# Allegro board SDHCalFEB20180110.brd
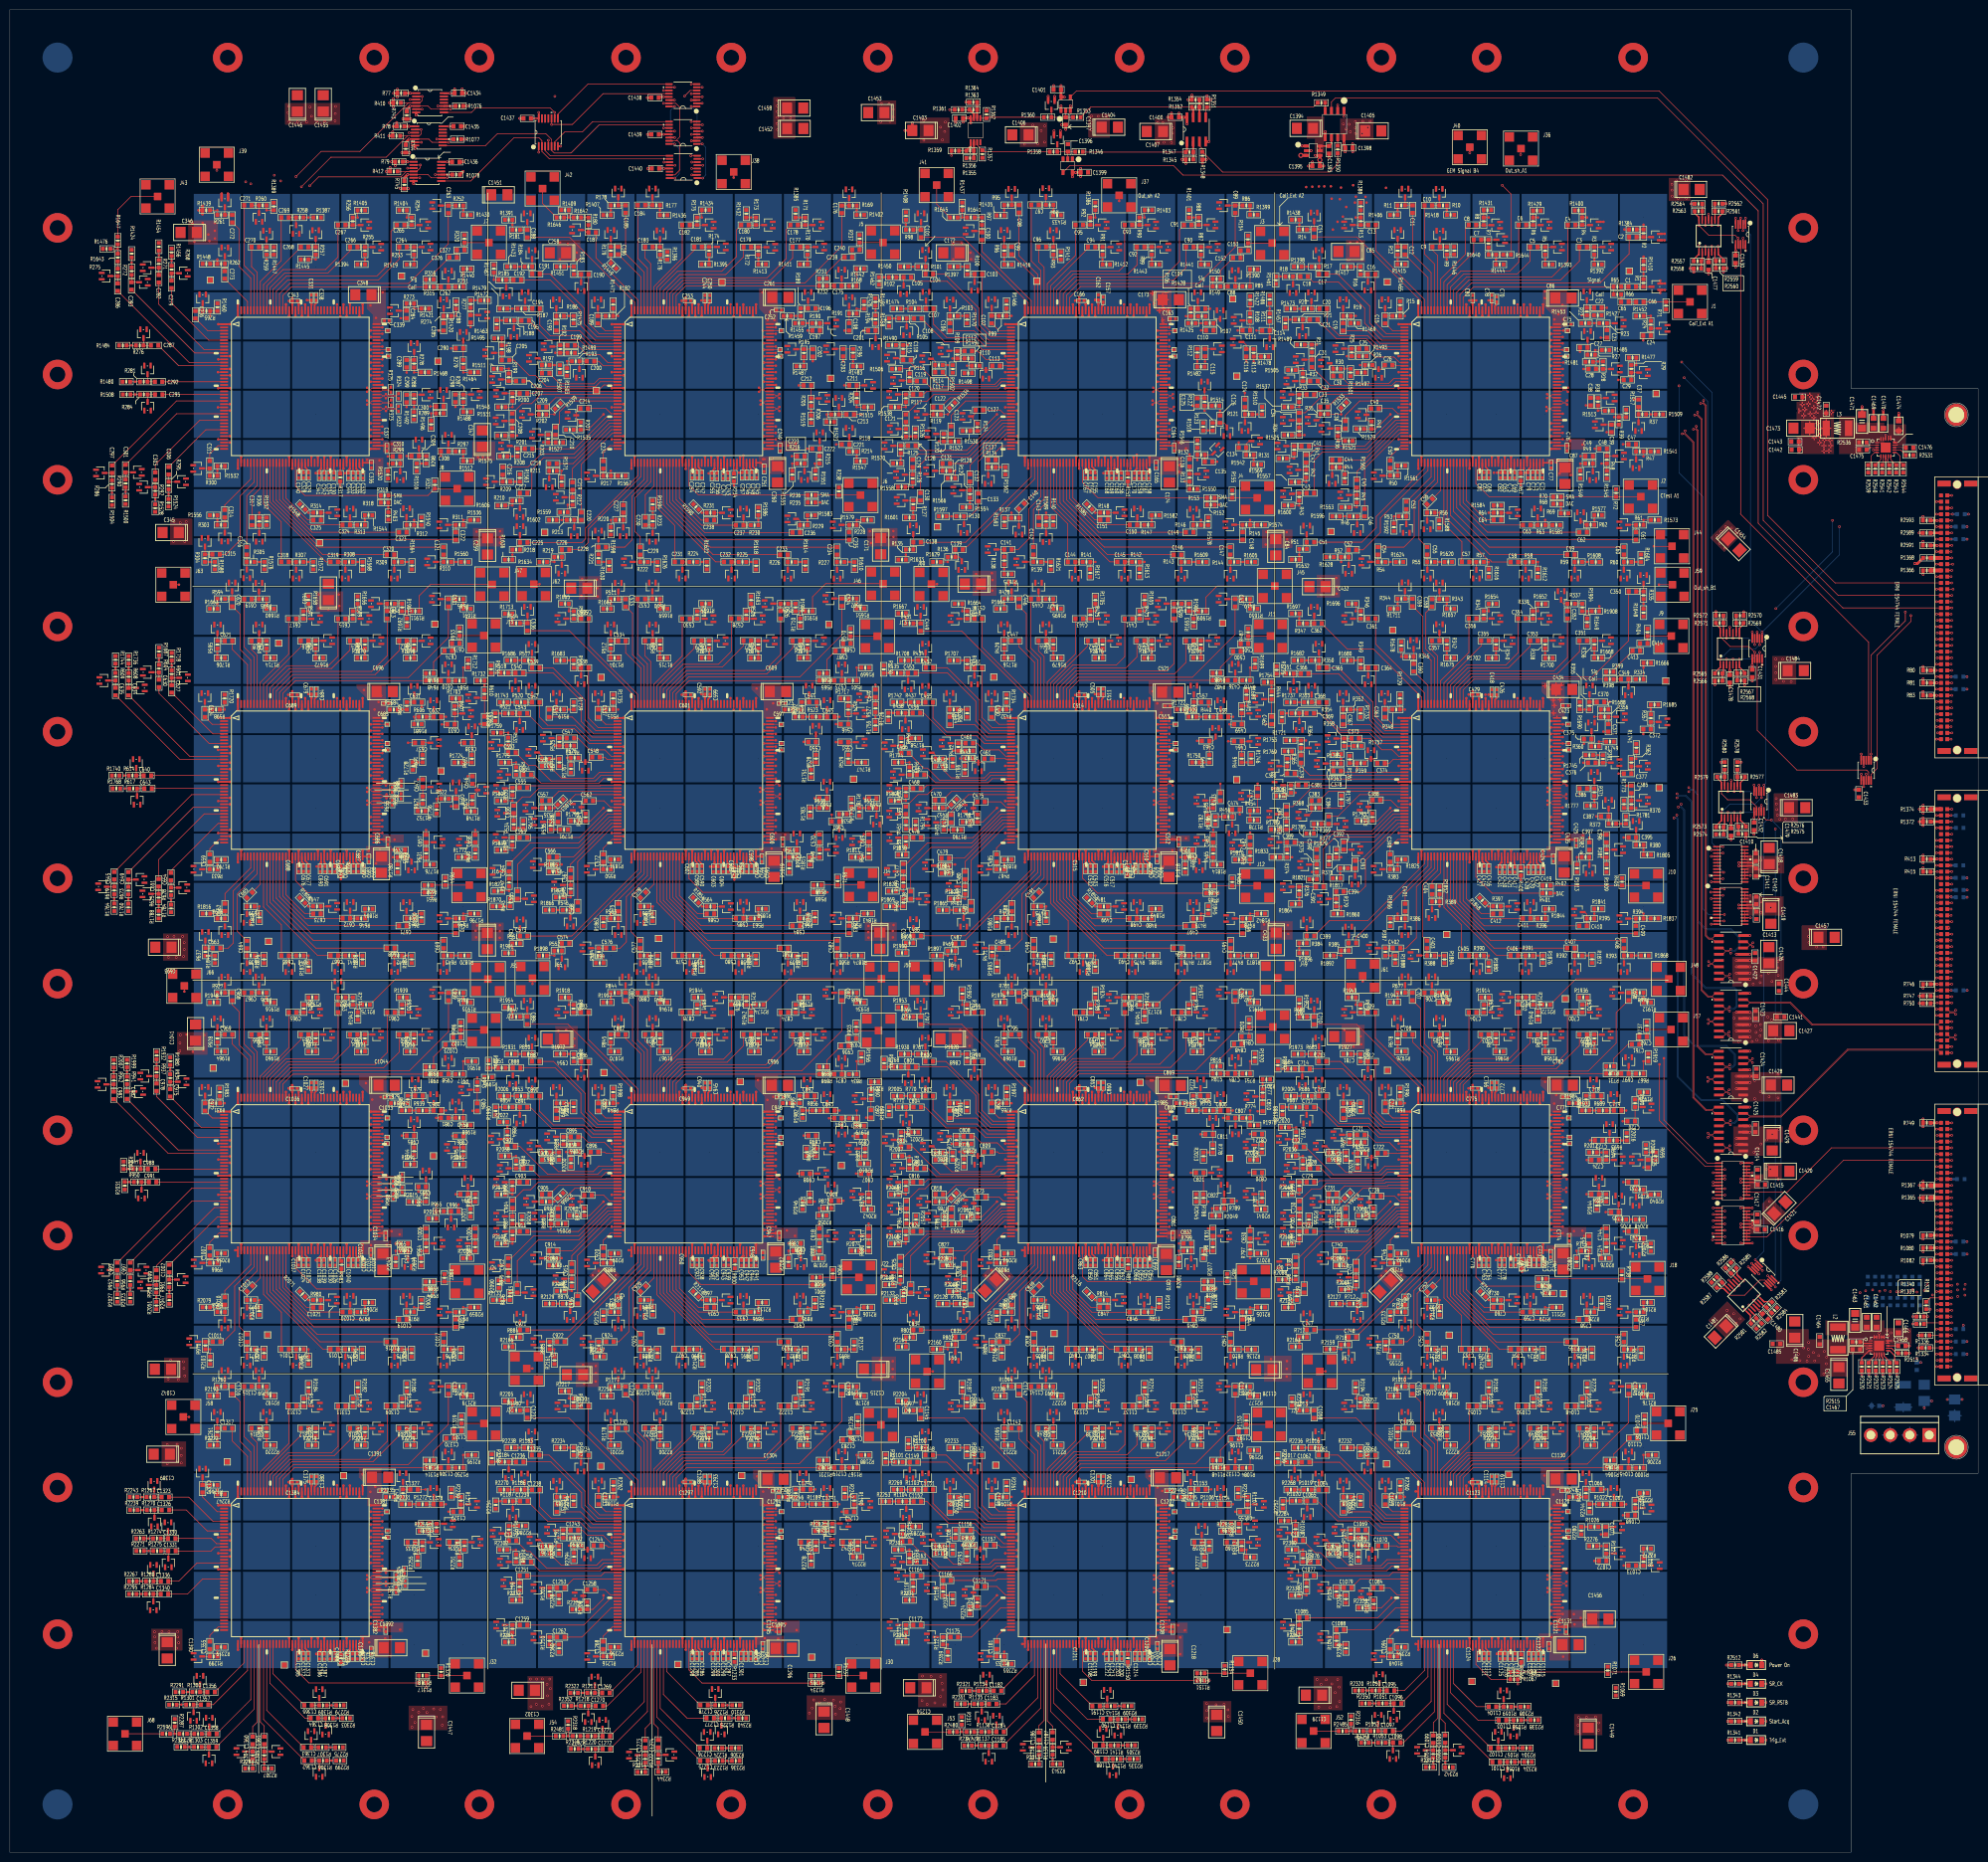
[diagram p0: board, top side]
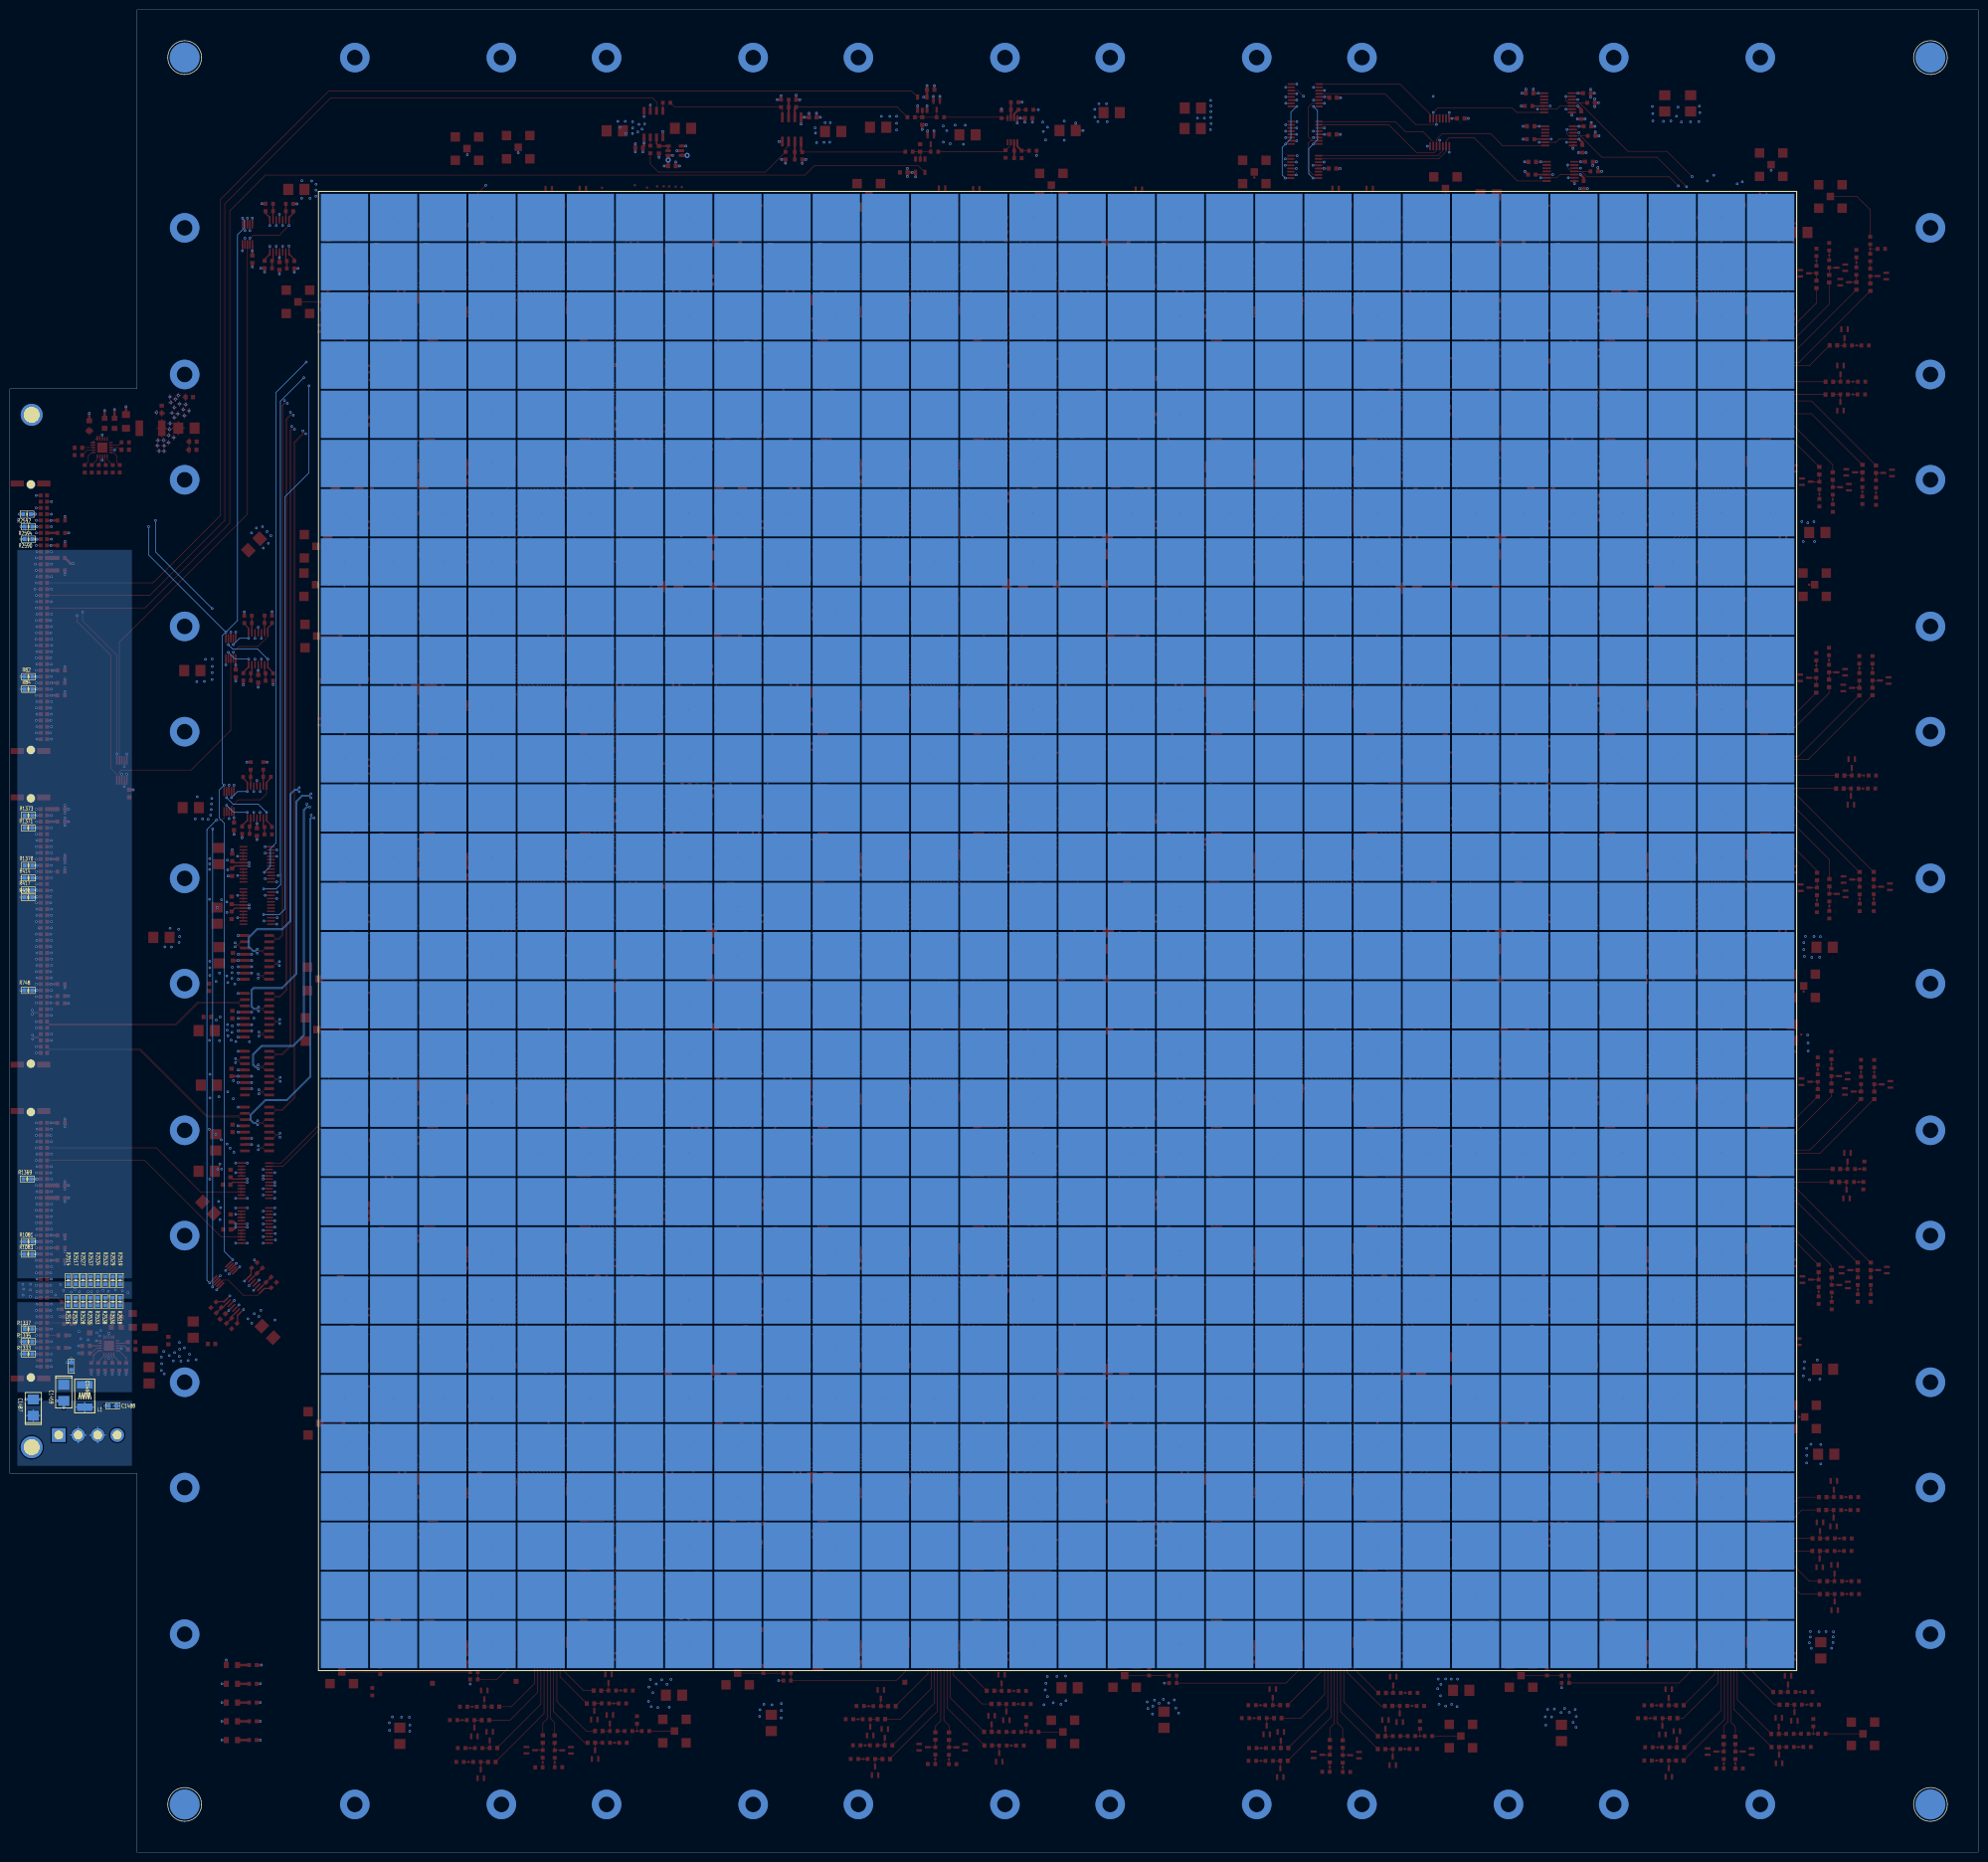
[diagram p1: board, bottom side, seen from below]

Outline 400.25 x 374.4 mm; copper layers: TOP, GND1, POWER1, SIG1, SIG2, GND2, POWER2, SIG3, GND3, BOTTOM. Coordinates in mm from the lower left corner of the outline.
Outline path: 0,374.4 0,0 374.4,0 374.4,77 400.25,77 400.25,297.4 374.4,297.4 374.4,374.4 0,374.4

## Design rules (mm)
net group ANALOGIN: nets ANALOGIN N1665546130
net group CK_5: nets CK_5N CK_5P
net group CK_40: nets CK_40N CK_40P
net group CLK_5_A: nets CK_5N_A CK_5P_A
net group CLK_5_B: nets CK_5N_B CK_5P_B
net group CLK_5_C: nets CK_5N_C CK_5P_C
net group CLK_5_D: nets CK_5N_D CK_5P_D
net group CLK_40_A: nets CK_40N_A CK_40P_A
net group CLK_40_B: nets CK_40N_B CK_40P_B
net group CLK_40_C: nets CK_40N_C CK_40P_C
net group CLK_40_D: nets CK_40N_D CK_40P_D
net group RAZ_CHN: nets RAZ_CHNN RAZ_CHNP
net group RAZ_CHN_A: nets RAZ_CHNN_A RAZ_CHNP_A
net group RAZ_CHN_B: nets RAZ_CHNN_B RAZ_CHNP_B
net group RAZ_CHN_C: nets RAZ_CHNN_C RAZ_CHNP_C
net group RAZ_CHN_D: nets RAZ_CHNN_D RAZ_CHNP_D
net group VAL_EVT: nets VAL_EVTN VAL_EVTP
net group VAL_EVT_A: nets VAL_EVTN_A VAL_EVTP_A
net group VAL_EVT_B: nets VAL_EVTN_B VAL_EVTP_B
net group VAL_EVT_C: nets VAL_EVTN_C VAL_EVTP_C
net group VAL_EVT_D: nets VAL_EVTN_D VAL_EVTP_D
net group VCC5.0V_CON_IN: nets N16629690 N16629718 N16632314 N16632330 N16632396 N16632400 N16654329 N16654333

## Placement (name value [footprint] x y rotation side)
C1  10nF  [SC0603]  329.91 318.13 180 top
C2  10nF  [SC0603]  330.03 328.23 180 top
C3  10nF  [SC0603]  319.93 326.18 180 top
C4  10nF  [SC0603]  317.59 330.67 180 top
C5  10nF  [SC0603]  309.89 326.21 180 top
C6  10nF  [SC0603]  307.58 330.67 180 top
C7  10nF  [SC0603]  298.44 327.67 180 top
C8  10nF  [SC0603]  297.42 330.68 180 top
C9  10nF  [SC0603]  290.03 326.22 180 top
C10  10nF  [SC0603]  288.43 334.64 180 top
C11  10nF  [SC0603]  285.25 333.9 270 top
C12  10nF  [SC0603]  283.68 325.44 270 top
C13  10nF  [SC0603]  277 330.69 0 top
C14  10nF  [SC0603]  265.22 329.02 270 top
C15  10nF  [SC0603]  279.66 311.44 270 top
C16  10nF  [SC0603]  276.9 320.67 0 top
C17  10nF  [SC0603]  266.97 320.7 0 top
C18  10nF  [SC0603]  263.18 320.21 0 top
C19  10nF  [SC0603]  271.12 309.97 270 top
C20  10nF  [SC0603]  267.07 313.67 0 top
C21  10nF  [SC0603]  265.14 311.45 0 top
C22  10nF  [SC0603]  322.92 313.85 0 top
C23  10nF  [SC0603]  324.76 308.55 270 top
C24  10nF  [SC0603]  332.91 308.2 180 top
C25  10nF  [SC0603]  275.12 305.55 0 top
C26  10nF  [SC0603]  280.36 302.21 0 top
C27  10nF  [SC0603]  320.05 305.77 180 top
C28  10nF  [SC0603]  321.78 301.42 180 top
C29  10nF  [SC0603]  328.94 299.2 180 top
C30  10nF  [SC0603]  269.86 299.99 0 top
C31  10nF  [SC0603]  264.77 302.55 270 top
C32  10nF  [SC0603]  265.19 298.95 0 top
C33  10nF  [SC0603]  264.45 296.22 0 top
C34  10nF  [SC0603]  262.19 291.76 90 top
C35  10nF  [SC0603]  267.25 293.7 0 top
C36  10nF  [SC0603]  271.56 290.08 90 top
C37  10nF  [SC0603]  331.19 294.45 90 top
C38  10nF  [SC0603]  321.45 294.78 270 top
C39  10nF  [SC0603]  325.68 289.34 270 top
C40  10nF  [SC0603]  277.58 293.37 0 top
C41  10nF  [SC0603]  263.41 285.74 0 top
C42  10nF  [SC0603]  263.6 283.17 90 top
C43  10nF  [SC0603]  264.45 276.19 0 top
C44  10nF  [SC0603]  269.66 282.93 0 top
C45  10nF  [SC0603]  273.9 278.09 90 top
C46  10nF  [SC0603]  275.48 272.22 90 top
C47  10nF  [SC0603]  329.91 286.11 180 top
C48  10nF  [SC0603]  323.99 285.21 180 top
C49  10nF  [SC0603]  321.14 283.7 180 top
C50  10nF  [SC0603]  280.68 282.05 90 top
C51  10nF  [SC0603]  264.48 266.22 0 top
C52  10nF  [SC0603]  273.01 264.66 0 top
C53  10nF  [SC0603]  283.97 273.7 90 top
C54  10nF  [SC0603]  278.19 264.45 90 top
C55  10nF  [SC0603]  288.21 264.45 90 top
C56  10nF  [SC0603]  288.73 274.48 45 top
C57  10nF  [SC0603]  296.02 262.2 180 top
C58  10nF  [SC0603]  305.96 262.19 180 top
C59  10nF  [SC0603]  317.44 263.7 180 top
C60  10nF  [SC0603]  328.21 264.45 90 top
C61  10nF  [SC0603]  330.67 267.47 270 top
C62  10nF  [SC0603]  319.93 268.25 180 top
C63  10nF  [SC0603]  308.44 269.71 180 top
C64  10nF  [SC0603]  302.5 270.76 180 top
C65  10pF 1%  [SC0603]  328.41 315.06 180 top
C66  10pF 1%  [SC0603]  331.46 315.04 180 top
C67  0.1uF  [SC0402]  299.78 279.84 90 top
C68  0.1uF  [SC0402]  300.75 279.84 90 top
C69  0.1uF  [SC0402]  306 279.81 90 top
C70  0.1uF  [SC0402]  302.37 315.57 270 top
C71  0.1uF  [SC0402]  311.61 279.84 90 top
C72  0.1uF  [SC0402]  309.69 279.84 90 top
C73  0.1uF  [SC0402]  305.01 279.81 90 top
C74  0.1uF  [SC0402]  310.66 279.84 90 top
C75  0.1uF  [SC0402]  316.97 310.51 0 top
C76  0.1uF  [SC0402]  316.64 285.31 270 top
C77  0.1uF  [SC0402]  313.43 281.83 270 top
C78  0.1uF  [SC0402]  301.37 315.87 90 top
C79  0.1uF  [SC0402]  308.71 279.83 270 top
C80  0.1uF  [SC0402]  297.48 315.85 90 top
C81  0.1uF  [SC0402]  298.78 279.83 270 top
C82  0.1uF  [SC0402]  303.11 279.83 270 top
C83  0.1uF  [SC0402]  304.06 279.83 270 top
C84  10uF  [STC3528]  257.42 265.17 270 top
C85  10uF  [STC3528]  271.8 325.29 180 top
C86  10uF  [STC3528]  315.93 315.83 0 top
C87  10uF  [STC3528]  316.24 279.7 270 top
C88  10nF  [SC0603]  248.41 318.2 180 top
C89  10nF  [SC0603]  249.19 333.88 270 top
C90  10nF  [SC0603]  239.95 326.2 180 top
C91  10nF  [SC0603]  239.52 330.67 180 top
C92  10nF  [SC0603]  229.95 326.2 180 top
C93  10nF  [SC0603]  227.46 330.7 180 top
C94  10nF  [SC0603]  219.96 326.2 180 top
C95  10nF  [SC0603]  217.47 330.7 180 top
C96  10nF  [SC0603]  209.96 326.22 180 top
C97  10nF  [SC0603]  208.46 334.76 180 top
C98  10nF  [SC0603]  205.22 333.96 270 top
C99  10nF  [SC0603]  203.72 325.48 270 top
C100  10nF  [SC0603]  197.68 328.42 270 top
C101  10nF  [SC0603]  185.28 328.93 270 top
C102  10nF  [SC0603]  199.66 311.45 270 top
C103  10nF  [SC0603]  196.95 320.69 0 top
C104  10nF  [SC0603]  186.97 320.71 0 top
C105  10nF  [SC0603]  182.5 320.05 0 top
C106  10nF  [SC0603]  191.17 309.96 270 top
C107  10nF  [SC0603]  187.07 313.65 0 top
C108  10nF  [SC0603]  184.63 311.67 0 top
C109  10nF  [SC0603]  242.34 313.65 0 top
C110  10nF  [SC0603]  244.02 309.26 180 top
C111  10nF  [SC0603]  251.43 309.26 180 top
C112  10nF  [SC0603]  194.89 305.07 0 top
C113  10nF  [SC0603]  200.56 302.07 0 top
C114  10nF  [SC0603]  255.42 309.23 180 top
C115  10nF  [SC0603]  243.04 304.75 270 top
C116  10nF  [SC0603]  251.42 304.7 270 top
C117  10nF  [SC0603]  188.93 300.75 0 top
C118  10nF  [SC0603]  182.42 303.26 0 top
C119  10nF  [SC0603]  185.22 298.95 0 top
C120  10nF  [SC0603]  184.45 296.25 0 top
C121  10nF  [SC0603]  182.21 291.41 90 top
C122  10nF  [SC0603]  188.54 293.66 0 top
C123  10nF  [SC0603]  191.4 289 90 top
C124  10nF  [SC0603]  251.14 294.44 90 top
C125  10nF  [SC0603]  241.47 294.72 270 top
C126  10nF  [SC0603]  246.09 291.21 90 top
C127  10nF  [SC0603]  197.15 293.08 0 top
C128  10nF  [SC0603]  183.41 285.84 0 top
C129  10nF  [SC0603]  183.58 282.22 90 top
C130  10nF  [SC0603]  185.18 275.46 90 top
C131  10nF  [SC0603]  190.42 282.21 0 top
C132  10nF  [SC0603]  195.24 279.3 90 top
C133  10nF  [SC0603]  196.94 275.34 90 top
C134  10nF  [SC0603]  250.65 285.43 180 top
C135  10nF  [SC0603]  243.76 282.56 0 top
C136  10nF  [SC0603]  239.89 282.35 90 top
C137  10nF  [SC0603]  199.69 282.94 0 top
C138  10nF  [SC0603]  184.48 266.2 0 top
C139  10nF  [SC0603]  193.01 264.71 0 top
C140  10nF  [SC0603]  205.73 273.54 45 top
C141  10nF  [SC0603]  202.97 264.73 0 top
C142  10nF  [SC0603]  208.14 264.46 90 top
C143  10nF  [SC0603]  209.26 270.43 90 top
C144  10nF  [SC0603]  215.9 262.19 180 top
C145  10nF  [SC0603]  225.96 262.22 180 top
C146  10nF  [SC0603]  237.44 263.66 180 top
C147  10nF  [SC0603]  248.17 264.46 90 top
C148  10nF  [SC0603]  250.69 267.49 270 top
C149  10nF  [SC0603]  239.9 268.24 180 top
C150  10nF  [SC0603]  228.47 269.74 180 top
C151  10nF  [SC0603]  222.5 270.78 180 top
C152  10pF 1%  [SC0603]  249.5 323.99 180 top
C153  10pF 1%  [SC0603]  251.03 325.49 180 top
C154  0.1uF  [SC0402]  219.75 279.81 90 top
C155  0.1uF  [SC0402]  220.71 279.81 90 top
C156  0.1uF  [SC0402]  226.02 279.73 90 top
C157  0.1uF  [SC0402]  222.34 315.52 270 top
C158  0.1uF  [SC0402]  231.58 279.7 90 top
C159  0.1uF  [SC0402]  229.63 279.7 90 top
C160  0.1uF  [SC0402]  225.03 279.73 90 top
C161  0.1uF  [SC0402]  230.59 279.7 90 top
C162  0.1uF  [SC0402]  221.35 315.95 90 top
C163  0.1uF  [SC0402]  236.5 311.62 0 top
C164  0.1uF  [SC0402]  236.79 285.32 270 top
C165  0.1uF  [SC0402]  233.11 281.84 270 top
C166  0.1uF  [SC0402]  217.96 315.3 0 top
C167  0.1uF  [SC0402]  218.76 279.82 270 top
C168  0.1uF  [SC0402]  223.08 279.73 270 top
C169  0.1uF  [SC0402]  224.04 279.73 270 top
C170  0.1uF  [SC0402]  228.66 279.7 270 top
C171  10uF  [STC3528]  177.07 265.41 270 top
C172  10uF  [STC3528]  191.47 325.02 180 top
C173  10uF  [STC3528]  236.07 315.49 0 top
C174  10uF  [STC3528]  235.79 279.98 270 top
C175  10nF  [SC0603]  168.38 318.3 180 top
C176  10nF  [SC0603]  169.18 333.86 270 top
C177  10nF  [SC0603]  159.94 326.2 180 top
C178  10nF  [SC0603]  159.49 330.67 180 top
C179  10nF  [SC0603]  149.96 326.17 180 top
C180  10nF  [SC0603]  149.48 330.67 180 top
C181  10nF  [SC0603]  139.95 326.22 180 top
C182  10nF  [SC0603]  137.49 330.67 180 top
C183  10nF  [SC0603]  129.95 326.2 180 top
C184  10nF  [SC0603]  128.45 334.71 180 top
C185  10nF  [SC0603]  125.21 333.91 270 top
C186  10nF  [SC0603]  123.69 325.48 270 top
C187  10nF  [SC0603]  118.41 329.17 0 top
C188  10nF  [SC0603]  105.22 328.9 270 top
C189  10nF  [SC0603]  119.57 311.43 270 top
C190  10nF  [SC0603]  116.92 320.66 0 top
C191  10nF  [SC0603]  106.98 320.74 0 top
C192  10nF  [SC0603]  103.17 319.52 0 top
C193  10nF  [SC0603]  111.14 309.98 270 top
C194  10nF  [SC0603]  107.01 313.68 0 top
C195  10nF  [SC0603]  104.8 311.26 0 top
C196  10nF  [SC0603]  163.07 313.73 0 top
C197  10nF  [SC0603]  163.96 309.23 180 top
C198  10nF  [SC0603]  170.68 309.98 270 top
C199  10nF  [SC0603]  114.15 306.21 0 top
C200  10nF  [SC0603]  118.08 302.98 0 top
C201  10nF  [SC0603]  175.29 309.23 180 top
C202  10nF  [SC0603]  163.28 304.67 270 top
C203  10nF  [SC0603]  169.46 304.72 270 top
C204  10nF  [SC0603]  108.97 300.55 0 top
C205  10nF  [SC0603]  100.81 303.21 0 top
C206  10nF  [SC0603]  103.71 298.97 0 top
C207  10nF  [SC0603]  104.44 296.46 0 top
C208  10nF  [SC0603]  102.17 291.62 90 top
C209  10nF  [SC0603]  108.33 293.69 0 top
C210  10nF  [SC0603]  110.96 288.8 90 top
C211  10nF  [SC0603]  171.45 298.08 180 top
C212  10nF  [SC0603]  162.18 298.08 180 top
C213  10nF  [SC0603]  170.89 292.19 0 top
C214  10nF  [SC0603]  116.79 293.38 0 top
C215  10nF  [SC0603]  105.49 285.2 0 top
C216  10nF  [SC0603]  100.24 280.7 90 top
C217  10nF  [SC0603]  104.47 276.21 0 top
C218  10nF  [SC0603]  110.44 282.18 0 top
C219  10nF  [SC0603]  114.41 277.62 90 top
C220  10nF  [SC0603]  116.22 271.5 90 top
C221  10nF  [SC0603]  169.93 286.09 180 top
C222  10nF  [SC0603]  163.91 285.2 180 top
C223  10nF  [SC0603]  160.83 283.68 180 top
C224  10nF  [SC0603]  120.69 281.94 90 top
C225  10nF  [SC0603]  104.5 266.15 0 top
C226  10nF  [SC0603]  113 264.71 0 top
C227  10nF  [SC0603]  124.75 272.97 90 top
C228  10nF  [SC0603]  120.45 265.21 0 top
C229  10nF  [SC0603]  128.19 264.44 90 top
C230  10nF  [SC0603]  129.21 270.46 90 top
C231  10nF  [SC0603]  135.99 262.2 180 top
C232  10nF  [SC0603]  146 262.22 180 top
C233  10nF  [SC0603]  157.4 263.68 180 top
C234  10nF  [SC0603]  168.21 264.44 90 top
C235  10nF  [SC0603]  170.69 267.46 270 top
C236  10nF  [SC0603]  159.91 268.19 180 top
C237  10nF  [SC0603]  148.41 269.67 180 top
C238  10nF  [SC0603]  142.46 270.7 180 top
C239  10pF 1%  [SC0603]  170.51 324.13 180 top
C240  10pF 1%  [SC0603]  172.03 325.64 180 top
C241  0.1uF  [SC0402]  139.74 279.82 90 top
C242  0.1uF  [SC0402]  140.73 279.82 90 top
C243  0.1uF  [SC0402]  146.01 279.69 90 top
C244  0.1uF  [SC0402]  142.33 315.84 270 top
C245  0.1uF  [SC0402]  151.88 279.84 90 top
C246  0.1uF  [SC0402]  149.9 279.84 90 top
C247  0.1uF  [SC0402]  145.02 279.69 90 top
C248  0.1uF  [SC0402]  150.89 279.84 90 top
C249  0.1uF  [SC0402]  156.65 285.31 270 top
C250  0.1uF  [SC0402]  141.34 315.86 90 top
C251  0.1uF  [SC0402]  153.38 281.09 270 top
C252  0.1uF  [SC0402]  156.42 313.4 0 top
C253  0.1uF  [SC0402]  137.96 315.28 0 top
C254  0.1uF  [SC0402]  138.75 279.82 270 top
C255  0.1uF  [SC0402]  142.79 279.7 270 top
C256  0.1uF  [SC0402]  143.78 279.7 270 top
C257  0.1uF  [SC0402]  148.91 279.82 270 top
C258  10uF  [STC3528]  111.45 325.02 180 top
C259  10uF  [STC3528]  97.13 265.35 270 top
C260  10uF  [STC3528]  156.11 280 270 top
C261  10uF  [STC3528]  156.68 315.95 0 top
C262  10nF  [SC0603]  88.42 318.1 180 top
C263  10nF  [SC0603]  89.17 333.86 270 top
C264  10nF  [SC0603]  79.96 326.2 180 top
C265  10nF  [SC0603]  79.48 330.67 180 top
C266  10nF  [SC0603]  69.93 326.2 180 top
C267  10nF  [SC0603]  67.49 330.67 180 top
C268  10nF  [SC0603]  59.94 326.2 180 top
C269  10nF  [SC0603]  55.96 332.19 180 top
C270  10nF  [SC0603]  49.91 326.2 180 top
C271  10nF  [SC0603]  48.41 334.68 180 top
C272  10nF  [SC0603]  45.22 331.95 270 top
C273  10nF  [SC0603]  43.7 320.52 270 top
C276  10nF  [SC0603]  37.73 312.45 270 top
C279  10nF  [SC0603]  32.88 318.62 270 top
C282  10nF  [SC0603]  30.29 319.76 270 top
C283  10nF  [SC0603]  24.75 318.29 270 top
C284  10nF  [SC0603]  80.66 312.5 270 top
C285  10nF  [SC0603]  88.2 309.98 270 top
C286  10nF  [SC0603]  21.93 318.03 270 top
C287  10nF  [SC0603]  29.44 306.21 0 top
C288  10nF  [SC0603]  93.69 311.61 270 top
C289  10nF  [SC0603]  80.68 302.49 270 top
C290  10nF  [SC0603]  91.44 305.6 180 top
C292  10nF  [SC0603]  30.25 298.82 0 top
C295  10nF  [SC0603]  30.28 296.23 0 top
C297  10nF  [SC0603]  20.79 281.05 90 top
C298  10nF  [SC0603]  90.61 295.45 270 top
C299  10nF  [SC0603]  80.68 295.4 270 top
C300  10nF  [SC0603]  87.43 293.81 180 top
C301  10nF  [SC0603]  23.53 281.18 90 top
C303  10nF  [SC0603]  29.58 279.65 90 top
C306  10nF  [SC0603]  32.3 280.75 90 top
C308  10nF  [SC0603]  88.42 284.7 180 top
C309  10nF  [SC0603]  82.42 283.73 180 top
C310  10nF  [SC0603]  78.61 283.65 180 top
C311  10nF  [SC0603]  40.65 281.97 90 top
C314  10nF  [SC0603]  43.7 272.01 90 top
C315  10nF  [SC0603]  41.94 263.74 0 top
C316  10nF  [SC0603]  48.17 264.46 90 top
C317  10nF  [SC0603]  49.24 270.43 90 top
C318  10nF  [SC0603]  55.96 262.22 180 top
C319  10nF  [SC0603]  65.96 262.22 180 top
C320  10nF  [SC0603]  77.42 263.69 180 top
C321  10nF  [SC0603]  88.2 264.44 90 top
C322  10nF  [SC0603]  90.69 267.46 270 top
C323  10nF  [SC0603]  79.91 268.24 180 top
C324  10nF  [SC0603]  68.4 269.74 180 top
C325  10nF  [SC0603]  62.48 270.73 180 top
C326  10pF 1%  [SC0603]  90.14 324.09 180 top
C327  10pF 1%  [SC0603]  91.67 325.59 180 top
C328  0.1uF  [SC0402]  59.74 279.81 90 top
C329  0.1uF  [SC0402]  60.73 279.81 90 top
C330  0.1uF  [SC0402]  65.89 279.76 90 top
C331  0.1uF  [SC0402]  62.28 315.93 270 top
C332  0.1uF  [SC0402]  71.81 279.73 90 top
C333  0.1uF  [SC0402]  69.82 279.73 90 top
C334  0.1uF  [SC0402]  64.9 279.76 90 top
C335  0.1uF  [SC0402]  70.82 279.73 90 top
C336  0.1uF  [SC0402]  73.53 281.84 270 top
C337  0.1uF  [SC0402]  76.68 285.27 270 top
C338  0.1uF  [SC0402]  61.32 315.93 90 top
C339  0.1uF  [SC0402]  76.66 311.23 0 top
C340  0.1uF  [SC0402]  58.75 279.81 270 top
C341  0.1uF  [SC0402]  62.92 279.76 270 top
C342  0.1uF  [SC0402]  63.91 279.76 270 top
C343  0.1uF  [SC0402]  57.96 315.24 0 top
C344  0.1uF  [SC0402]  68.83 279.75 270 top
C345  10uF  [STC3528]  32.7 268.17 180 top
C346  10uF  [STC3528]  36.36 329.16 180 top
C347  10uF  [STC3528]  96.09 287.28 90 top
C348  10uF  [STC3528]  71.9 316.48 180 top
C349  10nF  [SC0603]  328.37 238.38 180 top
C350  10nF  [SC0603]  329.95 256.21 180 top
C351  10nF  [SC0603]  319.94 246.21 180 top
C352  10nF  [SC0603]  316.73 251.46 270 top
C353  10nF  [SC0603]  309.93 246.21 180 top
C354  10nF  [SC0603]  307.47 250.68 180 top
C355  10nF  [SC0603]  299.95 246.21 180 top
C356  10nF  [SC0603]  297.46 250.7 180 top
C357  10nF  [SC0603]  289.94 246.21 180 top
C358  10nF  [SC0603]  289.19 253.88 270 top
C359  10nF  [SC0603]  285.21 253.95 270 top
C360  10nF  [SC0603]  285.47 240.72 270 top
C361  10nF  [SC0603]  276.96 250.69 0 top
C362  10nF  [SC0603]  265.99 249.7 0 top
C363  10nF  [SC0603]  279.62 231.44 270 top
C364  10nF  [SC0603]  276.98 240.68 0 top
C365  10nF  [SC0603]  266.98 240.71 0 top
C366  10nF  [SC0603]  263.3 239.49 0 top
C367  10nF  [SC0603]  271.12 229.95 270 top
C368  10nF  [SC0603]  266.98 233.68 0 top
C369  10nF  [SC0603]  264.44 231.44 0 top
C370  10nF  [SC0603]  323.47 233.75 0 top
C371  10nF  [SC0603]  325.04 228.47 270 top
C372  10nF  [SC0603]  332.92 228.2 180 top
C373  10nF  [SC0603]  273.58 226.34 0 top
C374  10nF  [SC0603]  278.84 221.28 0 top
C375  10nF  [SC0603]  320.85 226.22 180 top
C376  10nF  [SC0603]  321.69 221.39 180 top
C377  10nF  [SC0603]  328.96 219.18 180 top
C378  10nF  [SC0603]  269.9 219.73 0 top
C379  10nF  [SC0603]  262.56 222.15 270 top
C380  10nF  [SC0603]  260.5 219.2 0 top
C381  10nF  [SC0603]  262.76 216.86 0 top
C382  10nF  [SC0603]  259.59 211.71 90 top
C383  10nF  [SC0603]  265.48 213.69 0 top
C384  10nF  [SC0603]  268.18 209.73 90 top
C385  10nF  [SC0603]  329.72 215.98 90 top